# Altium PCB SunS_main_board.PcbDoc (part 2 of 2)
Units mil, origin at the board's own origin, x right, y up, seen from the top; angles counter-clockwise.
Board outline 1161.42 x 1161.42 mil, 6 copper layers (Component Side, GND, Inner Layer 1, Inner Layer 2, VCC, Solder Side), stack 51.068 mil thick; 120 components, 71 nets, 337 pads, 106 vias.
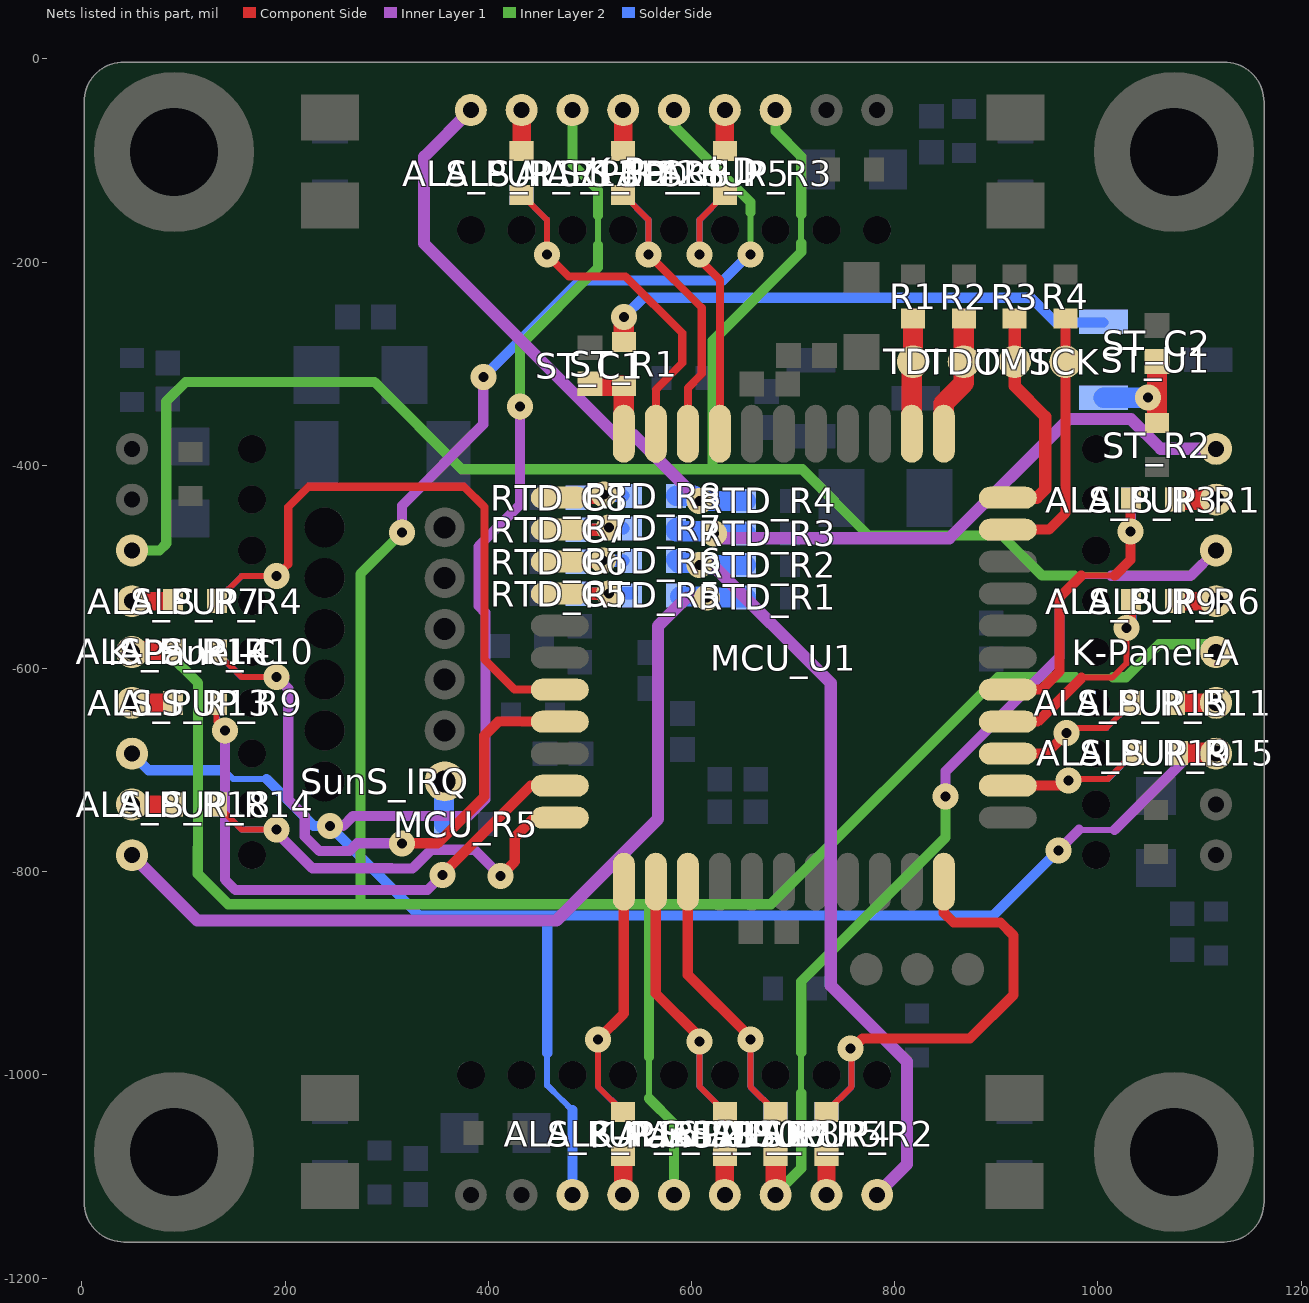
[diagram p6: the nets of this part, all layers, seen from the top]

## Via types
v1: diameter 25.59, hole 9.84, Component Side to Solder Side, tented both sides, 106 vias

## Nets (pads, with @x,y where several pads share a name; then routed paths per layer and width w, separated by ;. In a path a pad name is that pad's centre, name@x,y a point inside that pad or via, vN(x,y) a via of type N, cw(c..) or ccw(c..) an arc to the next point about the centre after c; other vN are vias at no path point) (continued)
NetMCU_R5_2: MCU_R5.2 SunS_IRQ.1 | length 42.3
  Solder Side w20: MCU_R5.2@356.35,-753 356.35,-711.65 SunS_IRQ.1@357,-711
NetMCU_U1_33: MCU_U1.33 ST_C1.2 ST_R1.2 | length 78.2
  Component Side w20: ST_C1.2@503,-319.72 504.94,-321.65 ST_R1.2@533.3,-321.65 MCU_U1.33@533.3,-368.79
NetST_C2_1: ST_C2.1 ST_R2.2 ST_U1.1 | length 117.1
  Component Side w20: v1(1049,-333) v1@1058,-342 ; ST_R2.2@1058,-358.35 v1@1058,-342 ; ST_C2.1@1058,-297.72 v1@1058,-342
  Solder Side w20: ST_U1.1@1005.43,-333.4 1048.6,-333.4 v1(1049,-333)
NetST_R1_1: ST_R1.1 ST_U1.2 | length 514.5
  Component Side w20: ST_R1.1@533.3,-278.35 v1(533.3,-254)
  Solder Side w10: v1(533.3,-254) 552.3,-235 934,-235 958.41,-259.41 ST_U1.2@1005.43,-259.41
RTD-PANEL-A_: K-Panel-A.9 RTD_R3.2 RTD_R7.1 | length 633.8
  Inner Layer 1 w12: v1(622,-467) 622,-470.59 620.8,-471.8 853.64,-471.8 970.93,-354.5 1032.5,-354.5 1061.71,-383.71 K-Panel-A.9@1116.17,-383.71
  Solder Side w20: RTD_R7.1@584.65,-462 584.65,-464.8 613.8,-464.8 616,-467 v1(622,-467) RTD_R3.2@653.35,-467
RTD-PANEL-B_: K-Panel-B.9 RTD_R2.2 RTD_R6.1 | length 794
  Inner Layer 1 w12: v1(608,-498) 620.71,-498 737,-614.29 737,-912 812,-987 812,-1087.88 K-Panel-B.9@782.71,-1117.17
  Solder Side w20: RTD_R6.1@584.65,-493 587.45,-495.8 605.8,-495.8 v1(608,-498) RTD_R2.2@653.35,-498
RTD-PANEL-C_: K-Panel-C.9 RTD_R1.2 RTD_R5.1 | length 901.1
  Inner Layer 1 w12: K-Panel-C.9@49.24,-783.71 113.54,-848 466.98,-848 567,-747.98 567,-558 595,-530 v1(615,-530)
  Solder Side w20: RTD_R5.1@588.65,-529 615,-529 v1(615,-530) RTD_R1.2@653.35,-530
RTD-PANEL-D_: K-Panel-D.9 RTD_R4.2 RTD_R8.1 | length 597.4
  Inner Layer 1 w12: K-Panel-D.9@382.71,-50.24 336.76,-96.19 336.76,-181.76 525.25,-370.25 543.25,-370.25 v1(608,-435)
  Solder Side w20: RTD_R8.1@584.65,-430 602,-430 607,-435 v1(608,-435) RTD_R4.2@653.35,-435
RTD_PANEL_A: MCU_U1.35 RTD_C7.2 RTD_R7.2 | length 92.9
  Component Side w12: MCU_U1.35@470.31,-463.28 v1@517.58,-463.28
  Solder Side w12: RTD_C7.2@488.02,-463.28 517.58,-463.28 519.03,-461.83 RTD_R7.2@533,-461.83
  other v1: 518.58,-461.28
RTD_PANEL_B: MCU_U1.36 RTD_C6.2 RTD_R6.2 | length 90.1
  Component Side w12: MCU_U1.36@470.31,-494.77 v1@515,-494.77
  Solder Side w12: RTD_C6.2@488.02,-494.77 515,-494.77 515.94,-493.83 RTD_R6.2@533,-493.83
  other v1: 513,-493.77
RTD_PANEL_C: MCU_U1.37 RTD_C5.2 RTD_R5.2 | length 100.6
  Component Side w12: MCU_U1.37@470.31,-526.27 v1@517.58,-526.27
  Solder Side w12: RTD_C5.2@488.02,-526.27 v1@517.58,-526.27 ; v1@517.58,-525.83 RTD_R5.2@541.35,-525.83
  other v1: 518.58,-526.27
RTD_PANEL_D: MCU_U1.34 RTD_C8.2 RTD_R8.2 | length 90.5
  Component Side w12: MCU_U1.34@470.31,-431.78 v1@515,-431.78
  Solder Side w12: RTD_C8.2@488.02,-431.78 515,-431.78 516.95,-429.83 RTD_R8.2@533,-429.83
  other v1: 514,-428.78
SCL-1: ALS_PUP_R5.2 ALS_R8.1 MCU_U1.3 | length 332
  Component Side w5.91: v1@657.93,-962.93 657.93,-989.63 657.93,-1011.57 ALS_R8.1@682.71,-1036.35
  Component Side w10: MCU_U1.3@596.29,-809.73 596.29,-901.29 v1@657.93,-962.93
  Solder Side w5.91: v1@657.93,-977.08 657.93,-1011.57 ALS_PUP_R5.2@682.71,-1036.35
  other v1: 657.93,-965
SCL-1_: ALS_R8.2 K-Panel-A.7 K-Panel-B.7 K-Panel-C.3 K-Panel-D.3 | length 2619.9
  Component Side w20: K-Panel-B.7@682.71,-1117.17 682.71,-1079.75 ALS_R8.2@682.81,-1079.65
  Inner Layer 1 w5.91: 962,-530 983.29,-508.71 1013,-508.71
  Inner Layer 1 w10: v1(850,-726) 850,-701 962,-589 962,-530 ; 1013,-508.71 1091.17,-508.71 K-Panel-A.7@1116.17,-483.71
  Inner Layer 2 w5.91: 707.93,-1018 707.93,-978 ; 707.93,-181.27 707.93,-153 ; 977,-508.49 1016,-508.49
  Inner Layer 2 w10: K-Panel-C.3@49.24,-483.71 76.29,-483.71 83,-477 83,-337 102,-318 288,-318 373.8,-403.8 709,-403.8 774.2,-469 905.5,-469 944.99,-508.49 977,-508.49 ; 620.7,-403.1 620.7,-277.3 707.93,-190.07 707.93,-181.27 ; K-Panel-B.7@682.71,-1117.17 707.93,-1091.95 707.93,-1018 ; K-Panel-D.3@682.71,-50.24 682.71,-70.71 707.93,-95.93 707.93,-153 ; 707.93,-978 707.93,-908.07 850,-766 v1(850,-726) ; 1016,-508.49 1091.39,-508.49 K-Panel-A.7@1116.17,-483.71
SCL-2: ALS_PUP_R10.2 ALS_R14.1 MCU_U1.41 | length 663
  Component Side w5.91: ALS_R14.1@132.25,-583.65 157.09,-608.49 v1(191.64,-608.49) v1@201.33,-608.49
  Component Side w10: v1(315,-772) 350,-772 396,-726 396,-666 409.75,-652.25 MCU_U1.41@470.31,-652.25
  Inner Layer 1 w10: v1(191.64,-608.49) 203,-619.85 203,-729 219.31,-745.31 219.31,-765.22 233.78,-779.69 263.31,-779.69 271,-772 v1(315,-772)
  Solder Side w5.91: ALS_PUP_R10.2@131.66,-583.06 157.09,-608.49 v1(191.64,-608.49)
SCL-2_: ALS_R14.2 K-Panel-A.5 K-Panel-B.5 K-Panel-C.5 K-Panel-D.5 | length 2780.2
  Component Side w20: K-Panel-C.5@49.24,-583.71 49.95,-583 ALS_R14.2@89.6,-583
  Inner Layer 1 w10: v1(315,-466) 315,-439.6 395,-359.6 v1(395,-313)
  Inner Layer 2 w5.91: 557.93,-1022.93 557.93,-982 ; v1@657.93,-190.93 657.93,-151 ; 978,-608.49 1015,-608.49
  Inner Layer 2 w10: K-Panel-C.5@49.24,-583 83,-583 114.28,-614.28 114.28,-775.82 114,-776.1 114,-802 144,-832 274,-832 ; v1(315,-466) 274,-507 274,-832 ; 557.93,-1022.93 582.71,-1047.71 K-Panel-B.5@582.71,-1117.17 ; 557.93,-982 558,-981.93 558,-832 ; K-Panel-D.5@582.71,-50.24 582.71,-65.71 657.93,-140.93 657.93,-151 ; 978,-608.49 901.51,-608.49 678,-832 558,-832 ; 1015,-608.49 1027.51,-608.49 1060,-576 1108.46,-576 K-Panel-A.5@1116.17,-583.71 ; 274,-832 558,-832
  Solder Side w10: v1(395,-313) 490,-218 630.86,-218 v1@657.93,-190.93
  other v1: 657.93,-192.63
SCL-3: ALS_PUP_R15.2 ALS_R19.1 MCU_U1.13 | length 213.3
  Component Side w5.91: v1@977.51,-708.49 1009.85,-708.49 ALS_R19.1@1035.34,-683
  Component Side w10: MCU_U1.13@911.25,-715.24 970.76,-715.24 v1@977.51,-708.49
  Solder Side w5.91: v1@972.07,-708.93 1009.42,-708.93 ALS_PUP_R15.2@1035.35,-683
  Solder Side w10: v1(970.76,-710.24) v1@972.07,-708.93
SCL-3_: ALS_R19.2 K-Panel-A.3 K-Panel-B.3 K-Panel-C.7 K-Panel-D.7 | length 2424.5
  Component Side w20: ALS_R19.2@1078.65,-683 1115.46,-683 K-Panel-A.3@1116.17,-683.71
  Inner Layer 1 w5.91: 981.29,-758.71 1016.37,-758.71
  Inner Layer 1 w10: v1(244,-755) 257,-755 267,-745 380.8,-745 397,-728.8 397,-544.91 390.31,-538.22 390.31,-479.69 431,-439 v1(431,-342) ; v1(961,-779) 981.29,-758.71 ; 1016.37,-758.71 1091.37,-683.71 K-Panel-A.3@1116.17,-683.71
  Inner Layer 2 w5.91: 507.93,-183 507.93,-154
  Inner Layer 2 w10: v1(431,-342) 431,-282.16 507.93,-205.23 507.93,-183 ; K-Panel-D.7@482.71,-50.24 482.71,-103.71 507.93,-128.93 507.93,-154
  Solder Side w5.91: 140,-700 148.71,-708.71 181.71,-708.71 ; 457.93,-979.07 457.93,-1010.16 472.44,-1024.67 ; 472.67,-1024.67 482.71,-1034.71
  Solder Side w10: K-Panel-C.7@49.24,-683.71 65.54,-700 140,-700 ; 181.71,-708.71 228,-755 v1(244,-755) 332,-843 457.93,-843 ; 457.93,-978.18 457.93,-843 ; K-Panel-B.3@482.71,-1117.17 482.71,-1034.71 ; v1(961,-779) 897,-843 457.93,-843
SDA-PANEL-A-1: ALS_PUP_R1.2 ALS_R3.1 MCU_U1.16 | length 307.4
  Component Side w5.91: 983.51,-508.49 1016.51,-508.49
  Component Side w10: MCU_U1.16@911.25,-620.76 944.24,-620.76 962,-603 962,-530 983.51,-508.49 ; 1016.51,-508.49 1032,-493 v1(1032,-465) 1032,-434.22 ALS_R3.1@1032.51,-433.71
  Solder Side w10: v1(1032,-465) 1032.52,-464.48 ALS_PUP_R1.2@1032.52,-433.71
SDA-PANEL-A-1_: ALS_R3.2 K-Panel-A.8 | length 40.4
  Component Side w20: ALS_R3.2@1075.82,-433.71 K-Panel-A.8@1116.17,-433.71
SDA-PANEL-A-2: ALS_PUP_R6.2 ALS_R9.1 MCU_U1.15 | length 230.1
  Component Side w5.91: 983.87,-608.93 1014.07,-608.93 1028,-595 v1(1028,-560)
  Component Side w10: MCU_U1.15@911.25,-652.25 940.55,-652.25 983.87,-608.93 ; v1(1028,-560) 1032.51,-555.49 ALS_R9.1@1032.51,-533.71
  Solder Side w10: ALS_PUP_R6.2@1032.52,-533.71 1033,-534.19 v1@1033,-560
SDA-PANEL-A-2_: ALS_R9.2 K-Panel-A.6 | length 40.4
  Component Side w18: ALS_R9.2@1075.82,-533.71 K-Panel-A.6@1116.17,-533.71
SDA-PANEL-A-3: ALS_PUP_R11.2 ALS_R15.1 MCU_U1.14 | length 213.5
  Component Side w5.91: v1@974,-658.63 1007.59,-658.63 ; 1008.33,-658.49 ALS_R15.1@1032.79,-634.02
  Component Side w10: MCU_U1.14@911.25,-683.75 948.88,-683.75 v1(969,-663.63) v1@974,-658.63
  Solder Side w5.91: v1@970,-658.63 1007.59,-658.63 ; 1008.33,-658.49 ALS_PUP_R11.2@1032.79,-634.02
SDA-PANEL-A-3_: ALS_R15.2 K-Panel-A.4 | length 40.4
  Component Side w18: ALS_R15.2@1075.82,-633.71 K-Panel-A.4@1116.17,-633.71
SDA-PANEL-B-1: ALS_PUP_R2.2 ALS_R4.1 MCU_U1.11 | length 490.6
  Component Side w5.91: ALS_R4.1@732.71,-1036.35 757.49,-1011.57 v1@757.49,-977.08
  Component Side w10: v1@757.49,-977.08 756.42,-976 768.42,-964 874,-964 917,-921 917,-863 904,-850 858,-850 848.26,-840.26 MCU_U1.11@848.26,-809.73
  Solder Side w5.91: ALS_PUP_R2.2@732.71,-1036.35 757.49,-1011.57 v1@757.49,-977.08
  other v1: 756.42,-974
SDA-PANEL-B-1_: ALS_R4.2 K-Panel-B.8 | length 37.5
  Component Side w18: K-Panel-B.8@732.71,-1117.17 ALS_R4.2@732.71,-1079.65
SDA-PANEL-B-2: ALS_PUP_R7.2 ALS_R10.1 MCU_U1.2 | length 324.3
  Component Side w5.91: v1(607.93,-967.07) 607.93,-1011.57 ALS_R10.1@632.71,-1036.35
  Component Side w10: MCU_U1.2@564.8,-809.73 564.8,-919.8 607.93,-962.93 v1(607.93,-967.07)
  Solder Side w5.91: v1@607.93,-977.08 607.93,-1011.57 ALS_PUP_R7.2@632.71,-1036.35
SDA-PANEL-B-2_: ALS_R10.2 K-Panel-B.6 | length 37.5
  Component Side w18: K-Panel-B.6@632.71,-1117.17 ALS_R10.2@632.71,-1079.65
SDA-PANEL-B-3: ALS_PUP_R12.2 ALS_R16.1 MCU_U1.1 | length 316.9
  Component Side w5.91: v1(507.93,-965) 507.93,-1011.57 ALS_R16.1@532.71,-1036.35
  Component Side w10: v1(507.93,-965) 533.3,-939.63 MCU_U1.1@533.3,-809.73
  Solder Side w5.91: v1@507.93,-977.08 507.93,-1011.57 ALS_PUP_R12.2@532.71,-1036.35
SDA-PANEL-B-3_: ALS_R16.2 K-Panel-B.4 | length 37.5
  Component Side w18: K-Panel-B.4@532.71,-1117.17 ALS_R16.2@532.71,-1079.65
SDA-PANEL-C-1: ALS_PUP_R4.2 ALS_R7.1 MCU_U1.40 | length 657
  Component Side w5.91: ALS_R7.1@132.61,-533.41 157.09,-508.93 v1(191.35,-508.93)
  Component Side w8: v1(191.35,-508.93) 203,-497.28 203,-441 223,-421 376,-421 396.09,-441.09 396.09,-591.09 425.76,-620.76 MCU_U1.40@470.31,-620.76
  Solder Side w5.91: ALS_PUP_R4.2@132.61,-533.41 157.09,-508.93 v1(191.35,-508.93)
  Solder Side w10: v1(191.35,-508.93) v1@191.64,-508.93
SDA-PANEL-C-1_: ALS_R7.2 K-Panel-C.4 | length 40.4
  Component Side w18: K-Panel-C.4@49.24,-533.71 ALS_R7.2@89.6,-533.71
SDA-PANEL-C-2: ALS_PUP_R9.2 ALS_R13.1 MCU_U1.43 | length 596
  Component Side w5.91: ALS_R13.1@132.61,-634.01 132.61,-652.61 v1(141,-661) v1@147.79,-667.79
  Component Side w10: v1(355,-803) 354,-803 441.76,-715.24 MCU_U1.43@470.31,-715.24
  Inner Layer 1 w10: v1(141,-661) 140.7,-661.3 140.7,-807.7 151,-818 340,-818 v1(355,-803)
  Solder Side w5.91: ALS_PUP_R9.2@132.9,-634.3 132.9,-652.9 v1(141,-661)
  Solder Side w10: ALS_PUP_R9.2@132.9,-634.3 ALS_PUP_R9.2@132.9,-633.71
SDA-PANEL-C-2_: ALS_R13.2 K-Panel-C.6 | length 40.4
  Component Side w18: K-Panel-C.6@49.24,-633.71 ALS_R13.2@89.6,-633.71
SDA-PANEL-C-3: ALS_PUP_R14.2 ALS_R18.1 MCU_U1.44 | length 490.3
  Component Side w5.91: ALS_R18.1@132.6,-734.01 157.09,-758.49 v1(191.34,-758.49)
  Component Side w10: v1(412,-804) 426,-790 426,-766 445.26,-746.74 MCU_U1.44@470.31,-746.74
  Inner Layer 1 w10: v1(191.34,-758.49) 191.34,-761.13 226.78,-796.57 304.66,-796.57 304.78,-796.69 325.22,-796.69 326.91,-795 327.09,-795 343.78,-778.31 386.31,-778.31 v1(412,-804)
  Solder Side w5.91: ALS_PUP_R14.2@132.9,-734.3 157.09,-758.49 v1(191.34,-758.49)
  Solder Side w10: ALS_PUP_R14.2@132.9,-734.3 ALS_PUP_R14.2@132.9,-733.71
SDA-PANEL-C-3_: ALS_R18.2 K-Panel-C.8 | length 40.4
  Component Side w18: K-Panel-C.8@49.24,-733.71 ALS_R18.2@89.6,-733.71
SDA-PANEL-D-1: ALS_PUP_R3.2 ALS_R5.1 MCU_U1.30 | length 324.9
  Component Side w5.91: v1(607.93,-192.34) 607.93,-158.09 ALS_R5.1@632.41,-133.61
  Component Side w8: v1(607.93,-192.34) 605.2,-195.07 627.79,-217.65 MCU_U1.30@627.79,-368.79
  Solder Side w5.91: v1(607.93,-192.34) 607.93,-158.09 ALS_PUP_R3.2@632.12,-133.9
  Solder Side w10: ALS_PUP_R3.2@632.12,-133.9 ALS_PUP_R3.2@632.71,-133.9
SDA-PANEL-D-1_: ALS_R5.2 K-Panel-D.4 | length 40.4
  Component Side w18: ALS_R5.2@632.71,-90.6 K-Panel-D.4@632.71,-50.24
SDA-PANEL-D-2: ALS_PUP_R8.2 ALS_R12.1 MCU_U1.31 | length 341.8
  Component Side w5.91: ALS_R12.1@533.01,-133.61 557.49,-158.09 v1(557.49,-192.34)
  Component Side w8: v1(557.49,-192.34) 610,-244.85 610,-310 596.29,-323.71 MCU_U1.31@596.29,-368.79
  Solder Side w5.91: ALS_PUP_R8.2@533.3,-133.9 557.49,-158.09 v1(557.49,-192.34)
  Solder Side w10: ALS_PUP_R8.2@532.71,-133.9 ALS_PUP_R8.2@533.3,-133.9
SDA-PANEL-D-2_: ALS_R12.2 K-Panel-D.6 | length 40.4
  Component Side w18: ALS_R12.2@532.71,-90.6 K-Panel-D.6@532.71,-50.24
SDA-PANEL-D-3: ALS_PUP_R13.2 ALS_R17.1 MCU_U1.32 | length 413.1
  Component Side w5.91: ALS_R17.1@433.01,-133.61 457.49,-158.09 v1(457.49,-192.34)
  Component Side w8: v1(457.49,-192.34) 479.15,-214 535,-214 590.8,-269.8 590.8,-299.2 564.8,-325.2 MCU_U1.32@564.8,-368.79
  Solder Side w5.91: ALS_PUP_R13.2@433.3,-133.9 457.49,-158.09 v1(457.49,-192.34)
  Solder Side w10: ALS_PUP_R13.2@432.71,-133.9 ALS_PUP_R13.2@433.3,-133.9
SDA-PANEL-D-3_: ALS_R17.2 K-Panel-D.8 | length 40.4
  Component Side w18: ALS_R17.2@432.71,-90.6 K-Panel-D.8@432.71,-50.24
TCK: MCU_U1.21 R4.2 TCK.1 | length 254.8
  Component Side w10: MCU_U1.21@911.25,-463.28 951.72,-463.28 968,-447 TCK.1@968,-298 R4.2@968,-255.65
TDI: MCU_U1.24 R1.2 TDI.1 | length 113.6
  Component Side w20: MCU_U1.24@816.76,-368.79 816.76,-299.24 TDI.1@818,-298 R1.2@818,-255.65
TDO: MCU_U1.23 R2.2 TDO.1 | length 121.3
  Component Side w20: MCU_U1.23@848.26,-368.79 848.26,-338.74 868,-319 TDO.1@868,-298 R2.2@868,-255.65
TMS: MCU_U1.22 R3.2 TMS.1 | length 220.5
  Component Side w12: MCU_U1.22@911.25,-431.78 939.72,-431.78 948.1,-423.4 948.1,-352.1 918,-322 TMS.1@918,-298 R3.2@918,-255.65
pads on no net: K-Panel-A.0 K-Panel-B.0 K-Panel-C.0 K-Panel-D.0 MCU_U1.7 MCU_U1.8 MCU_U1.12 MCU_U1.25 MCU_U1.26 SunS_3V3_Bus.0 SunS_GND_Bus_1.0 SunS_GND_Bus_2.0 SunS_IRQ.0 SunS_SCL.0 SunS_SDA.0
copper on no net: | length 15
  Component Side w4: 183,-913.4 198,-913.4

## Polygon pours and split planes (outlines as drawn)
GND on Inner Layer 2 "NONET_L-01_P-001" (solid, remove dead copper, pour order 2): 442,-3 1125.09,-3 cw(c1125.09,-41.79) 1163.87,-41.79 1163.87,-1125.63 cw(c1124.63,-1125.63) 1124.63,-1164.87 40.79,-1164.87 cw(c40.79,-1125.63) 1.54,-1125.63 1.54,-39.85 cw(c38.85,-39.85) 38.85,-2.54 38.85,-3
GND on Inner Layer 1 "NONET_L-01_P-001" (solid, remove dead copper, pour order 0): 442,-3 1125.09,-3 cw(c1125.09,-41.79) 1163.87,-41.79 1163.87,-1125.63 cw(c1124.63,-1125.63) 1124.63,-1164.87 40.79,-1164.87 cw(c40.79,-1125.63) 1.54,-1125.63 1.54,-39.85 cw(c38.85,-39.85) 38.85,-2.54 38.85,-3
GND on Component Side "LOGO_POLYGON" (solid, pour order 10): 224.05,-843 497.04,-843 496.95,-942 224.18,-942
3.3V-DIG on VCC "NONET_L-01_P-001" (solid, remove dead copper, pour order 8): 442,-3 1125.09,-3 cw(c1125.09,-41.79) 1163.87,-41.79 1163.87,-1125.63 cw(c1124.63,-1125.63) 1124.63,-1164.87 40.79,-1164.87 cw(c40.79,-1125.63) 1.54,-1125.63 1.54,-39.85 cw(c38.85,-39.85) 38.85,-2.54 38.85,-3
GND on GND "NONET_L-01_P-001" (solid, remove dead copper, pour order 4): 442,-3 1125.09,-3 cw(c1125.09,-41.79) 1163.87,-41.79 1163.87,-1125.63 cw(c1124.63,-1125.63) 1124.63,-1164.87 40.79,-1164.87 cw(c40.79,-1125.63) 1.54,-1125.63 1.54,-39.85 cw(c38.85,-39.85) 38.85,-2.54 38.85,-3

## Other copper
Component Side:
  region net GND: 447.55,-937.21 450.37,-938.24 458.82,-915.03 456,-914
  rectangle net GND: 329.7,-918 334,-893.3
  rectangle net GND: 231,-942 285,-900
  rectangle net GND: 71,-942 224.33,-927.6
  pour cut-out: 288.3,-895.4 302.7,-891.8 320.1,-945.8 307.2,-884.3 292.5,-887.9 286.5,-865.1 309.6,-859.1 313.2,-873.5 373.5,-854 317.7,-865.7 313.8,-851.6 299.4,-855.2 281.7,-801.2 293.4,-856.7 279,-860.9 282.6,-875.3 228.6,-892.7 284.4,-881.3
  pour cut-out: 324.9,-905.6 324.9,-879.5 334.8,-879.5 336.9,-880.1 338.4,-881 339.9,-882.5 341.1,-884.3 341.4,-885.2 341.7,-885.8 341.7,-887.3 342,-887.6 342,-890 341.7,-890.3 341.7,-891.5 341.4,-892.4 340.8,-893.6 339.6,-895.4 338.7,-896.3 337.8,-896.9 336.6,-897.5 335.7,-897.8 334.2,-898.1 329.7,-898.4 329.7,-893.3 333.9,-893.3 335.4,-892.7 336.3,-891.8 336.9,-890.9 337.2,-890 337.2,-887.9 336.9,-887.3 336.6,-886.4 336,-885.5 335.1,-884.6 334.2,-884.3 329.7,-884.3 329.7,-905.6
  pour cut-out: 345.9,-879.5 345.9,-880.4 355.2,-905.6 355.8,-905.6 362.7,-887.3 369.6,-905.6 369.9,-905.6 379.5,-879.5 374.7,-879.5 369.75,-893 364.8,-879.5 360.6,-879.5 355.8,-892.4 355.2,-892.4 350.7,-879.5
  pour cut-out: 380.4,-892.1 386.4,-886.1 386.7,-886.1 392.7,-892.1 392.7,-892.4 386.7,-898.4 386.4,-898.4 380.4,-892.4
  pour cut-out: 414.9,-886.4 409.8,-886.4 409.8,-885.8 409.2,-885.2 408.3,-884.6 407.4,-884.3 404.1,-884.3 402.9,-884.9 402,-885.5 401.7,-886.4 401.4,-887 401.4,-887.6 402,-888.5 402.3,-888.8 403.2,-889.4 404.1,-889.7 407.1,-890.3 408.3,-890.6 411,-891.5 412.2,-892.1 413.1,-892.7 414,-893.6 414.9,-895.4 415.2,-896.9 415.2,-899 414.9,-900.5 414.3,-901.7 413.7,-902.6 412.2,-904.1 410.4,-905 409.2,-905.3 407.4,-905.6 403.8,-905.6 402,-905.3 400.2,-904.7 399.6,-904.4 399.3,-904.1 398.4,-903.5 398.1,-903.2 397.5,-902.3 396.6,-900.5 396.3,-899.3 396.3,-898.7 401.1,-898.1 401.4,-899 402,-899.9 402.6,-900.5 403.5,-900.8 407.7,-900.8 408.6,-900.5 409.2,-900.2 410.4,-899 410.4,-897.2 409.8,-896.6 408.9,-896 408,-895.7 407.4,-895.4 405,-894.8 403.5,-894.5 402.3,-894.2 401.4,-893.9 399.6,-893 397.8,-891.2 397.2,-890 396.9,-889.1 396.9,-884.9 397.2,-884 397.8,-883.1 398.1,-882.5 399.3,-881.3 400.2,-880.7 401.4,-880.1 402.3,-879.8 403.8,-879.5 408,-879.5 409.2,-879.8 410.7,-880.4 411.9,-881 413.7,-882.8 414.3,-884 414.6,-884.9 414.9,-886.1
  pour cut-out: 419.1,-905.6 419.1,-905 428.7,-879.5 429,-879.5 438.6,-905.3 438.6,-905.6 433.8,-905.6 429,-892.4 428.7,-892.4 423.9,-905.6
  pour cut-out: 442.5,-879.5 442.5,-884 449.7,-884.3 449.7,-905.6 454.5,-905.6 454.5,-884.3 461.7,-884 461.7,-879.5
  pour cut-out: 466.2,-894.5 466.2,-892.4 466.5,-891.2 466.8,-890.3 467.7,-888.8 468.9,-887.6 469.8,-887 471.6,-886.1 472.8,-885.8 477.3,-885.8 478.5,-886.1 479.4,-886.4 480,-886.7 480.9,-887.3 482.4,-888.8 483,-889.7 483.3,-890.6 483.6,-891.2 483.6,-895.4 483.3,-896.3 482.7,-897.5 481.8,-899 477,-903.8 472.8,-907.4 483.6,-907.7 483.6,-912.2 465.6,-912.2 465.6,-909.8 465.9,-908.9 467.1,-906.5 468,-905.6 468.3,-905 477,-897.2 478.2,-895.4 478.5,-894.5 478.8,-894.2 478.5,-892.4 478.5,-891.8 477.3,-890.6 476.7,-890.3 475.5,-890 474.6,-890 473.4,-890.3 472.5,-890.9 471.9,-891.5 471.6,-892.1 471.3,-893.3 471,-894.8
  region net NetC4_1: 976.41,-1075.83 cw(c1074.83,-1075.83) 1074.83,-977.41 1153.72,-977.41 1153.72,-1074.6 cw(c1073.82,-1074.6) 1073.82,-1154.5 976.41,-1154.5
  region net NetC3_1: 189.01,-1075.83 ccw(c90.58,-1075.83) 90.58,-977.41 11.7,-977.41 11.7,-1074.6 ccw(c91.6,-1074.6) 91.6,-1154.5 189.01,-1154.5
  region net NetC2_1: 90.58,-190.01 ccw(c90.58,-91.58) 189.01,-91.58 189.01,-12.7 91.82,-12.7 ccw(c91.82,-92.6) 11.92,-92.6 11.92,-190.01
  region net NetC1_1: 1074.83,-190.01 cw(c1074.83,-91.58) 976.41,-91.58 976.41,-12.7 1073.6,-12.7 cw(c1073.6,-92.6) 1153.5,-92.6 1153.5,-190.01
  text "1" at 829.95,-35.25 h30 r180
  text "1" at 34.25,-336.47 h30 r270
  text "1" at 1131.17,-830.95 h30 r90
  text "SunS / EM4" at 71,-927.67 h60
  text "2017" at 435.4,-934.1 h25
  text "1" at 335.47,-1133 h30
Inner Layer 2:
  region net SCL-2_: 274,-814 260,-828 286.4,-828
  region net SCL-2_: 558,-850 572,-836 545.6,-836
  region net SCL-1_: 638.2,-403.1 620.27,-385.17 620.27,-386.03 603.2,-403.1
Solder Side:
  region net 1.225-REF: 704.03,-393.38 704.03,-450 735,-450 760.65,-450 717.43,-371.4
  region net GND: 795,-315 795,-350 845,-350 845,-315
  region net SCL-3_: 440.43,-843.46 458.36,-861.39 458.36,-860.54 475.43,-843.46
  region net NetC1_1: 976.41,-91.58 ccw(c1074.83,-91.58) 1074.83,-190.01 1153.72,-190.01 1153.72,-92.82 ccw(c1073.82,-92.82) 1073.82,-12.92 976.41,-12.92
  region net NetC2_1: 189.01,-91.58 cw(c90.58,-91.58) 90.58,-190.01 11.7,-190.01 11.7,-92.82 cw(c91.6,-92.82) 91.6,-12.92 189.01,-12.92
  region net NetC3_1: 90.58,-977.41 cw(c90.58,-1075.83) 189.01,-1075.83 189.01,-1154.72 91.82,-1154.72 cw(c91.82,-1074.82) 11.92,-1074.82 11.92,-977.41
  region net NetC4_1: 1074.83,-977.41 ccw(c1074.83,-1075.83) 976.41,-1075.83 976.41,-1154.72 1073.6,-1154.72 ccw(c1073.6,-1074.82) 1153.5,-1074.82 1153.5,-977.41
  text "d" at 306,-76 h30 r180
  text "a" at 1118,-208 h30 r90
  text "C" at 73,-871 h30 r270
  text "b" at 863,-1094 h30

## Silkscreen, mask and mechanical layers (free items; w line width, h text height)
Top Overlay:
  text "100R" at 718.71,-123 h19.68
  text "10n" at 258,-129.01 h19.68 r90
  text "10n" at 933,-129 h19.68 r90
  text "100R" at 446.71,-151.25 h19.68 r90
  text "100R" at 546.7,-151.25 h19.68 r90
  text "100R" at 646.71,-151.25 h19.68 r90
  text "10k" at 832,-261 h19.68 r90
  text "10k" at 882,-261 h19.68 r90
  text "10k" at 932,-261 h19.68 r90
  text "10k" at 982,-261 h19.68 r90
  text "100n" at 487.77,-266.43 h19.68 r270
  text "1k" at 521.49,-279.53 h19.68 r270
  text "10uH" at 781,-280 h19.68 r90
  text "100n" at 675,-306 h19.68
  text "100n" at 1072,-326 h19.68 r90
  text "100n" at 639,-334 h19.68
  text "100R" at 1071.13,-410.9 h19.68 r90
  text "100R" at 121,-447.71 h19.68 r90
  text "100R" at 1018,-448 h19.68
  text "100R" at 72.25,-547.71 h19.68
  text "100R" at 1015.16,-547.71 h19.68
  text "100R" at 72.25,-597 h19.68
  text "100R" at 72.25,-647.71 h19.68
  text "100R" at 1015.17,-647.71 h19.68
  text "100R" at 1017.99,-697 h19.68
  text "100R" at 72.25,-747.71 h19.68
  text "100R" at 1070.99,-799.99 h19.68 r90
  text "100n" at 638,-873 h19.68
  text "100R" at 368,-1071 h19.68
  text "10n" at 258,-1093.99 h19.68 r90
  text "10n" at 932,-1094 h19.68 r90
  text "100R" at 546.71,-1097 h19.68 r90
  text "100R" at 646.71,-1097 h19.68 r90
  text "100R" at 696.81,-1097 h19.68 r90
  text "100R" at 746.71,-1097 h19.68 r90
Bottom Overlay:
  text "4k7" at 447.71,-79.25 h19.68 r90
  text "4k7" at 547.7,-79.25 h19.68 r90
  text "4k7" at 647.7,-79.25 h19.68 r90
  text "100R" at 856.19,-91.47 h19.68 r270
  text "100n" at 822.25,-99 h19.68 r270
  text "10n" at 304,-266 h19.68
  text "LM60" at 1107,-308 h19.68
  text "10n" at 688.28,-313 h19.68 r90
  text "330R" at 632.82,-325.32 h19.68
  text "100n" at 103,-326 h19.68 r270
  text "1u" at 295.05,-326 h19.68
  text "LM4041-1.2" at 929,-347 h19.68
  text "100R" at 8,-349 h19.68 r270
  text "FB" at 319,-402 h19.68
  text "4 x 1k / 0.1%" at 595.82,-421.59 h19.68 r90
  text "4 x 1k / 0.1%" at 707.82,-425.59 h19.68 r90
  text "100n" at 509.31,-444.78 h19.68
  text "1u" at 785,-446 h19.68
  text "4k7" at 1087.17,-448.71 h19.68
  text "100n" at 509.31,-476.28 h19.68
  text "100n" at 509.31,-507.78 h19.68
  text "100n" at 908,-534 h19.68 r90
  text "100n" at 509.31,-539.27 h19.68
  text "100n" at 503,-546 h19.68 r90
  text "4k7" at 144.25,-548.71 h19.68
  text "4k7" at 1087.16,-548.71 h19.68
  text "10k" at 573,-574 h19.68 r90
  text "100R" at 471.99,-592 h19.68
  text "4k7" at 144.25,-598 h19.68
  text "10k" at 607,-635 h19.68 r90
  text "4k7" at 144.25,-648.71 h19.68
  text "4k7" at 1087.16,-648.71 h19.68
  text "100R" at 481.87,-659.4 h19.68
  text "4k7" at 1089.99,-698 h19.68
  text "10k" at 666.51,-724 h19.68
  text "4k7" at 144.25,-748.71 h19.68
  text "100n" at 684.5,-754 h19.68
  text "100R" at 416.99,-767 h19.68
  text "100n" at 1071.49,-893.28 h19.68 r270
  text "100R" at 1105.94,-895.29 h19.68 r270
  text "10k" at 838,-924 h19.68 r90
  text "10k" at 727,-932 h19.68
  text "4k7" at 547.71,-1025 h19.68 r90
  text "4k7" at 647.71,-1025 h19.68 r90
  text "4k7" at 697.81,-1025 h19.68 r90
  text "4k7" at 747.71,-1025 h19.68 r90
  text "100R" at 258,-1026.99 h19.68 r90
  text "100R" at 932,-1026.99 h19.68 r90
  text "100n" at 316.36,-1129.73 h19.68 r270
  text "100R" at 276,-1132 h19.68 r270
Mechanical 1:
  the board outline again, w8
Mechanical 13:
  lines w8: 2,-938.04 ccw(c41.37,-938.04) 41.37,-977.41 90.58,-977.41 cw(c90.58,-1075.83) 189.01,-1075.83 189.01,-1125.05 ccw(c228.38,-1125.05) 228.38,-1164.42 ; 2,-229.38 cw(c41.37,-229.38) 41.37,-190.01 90.58,-190.01 ccw(c90.58,-91.58) 189.01,-91.58 189.01,-42.37 cw(c228.38,-42.37) 228.38,-3 ; 937.04,-1164.42 ccw(c937.04,-1125.05) 976.41,-1125.05 976.41,-1075.83 cw(c1074.83,-1075.83) 1074.83,-977.41 1124.05,-977.41 ccw(c1124.05,-938.04) 1163.42,-938.04 ; 937.04,-3 cw(c937.04,-42.37) 976.41,-42.37 976.41,-91.58 ccw(c1074.83,-91.58) 1074.83,-190.01 1124.05,-190.01 cw(c1124.05,-229.38) 1163.42,-229.38